# KiCad board Stream.kicad_pcb
title: Stream v2; rev: 0.1; company: Lime Microsystems Ltd.
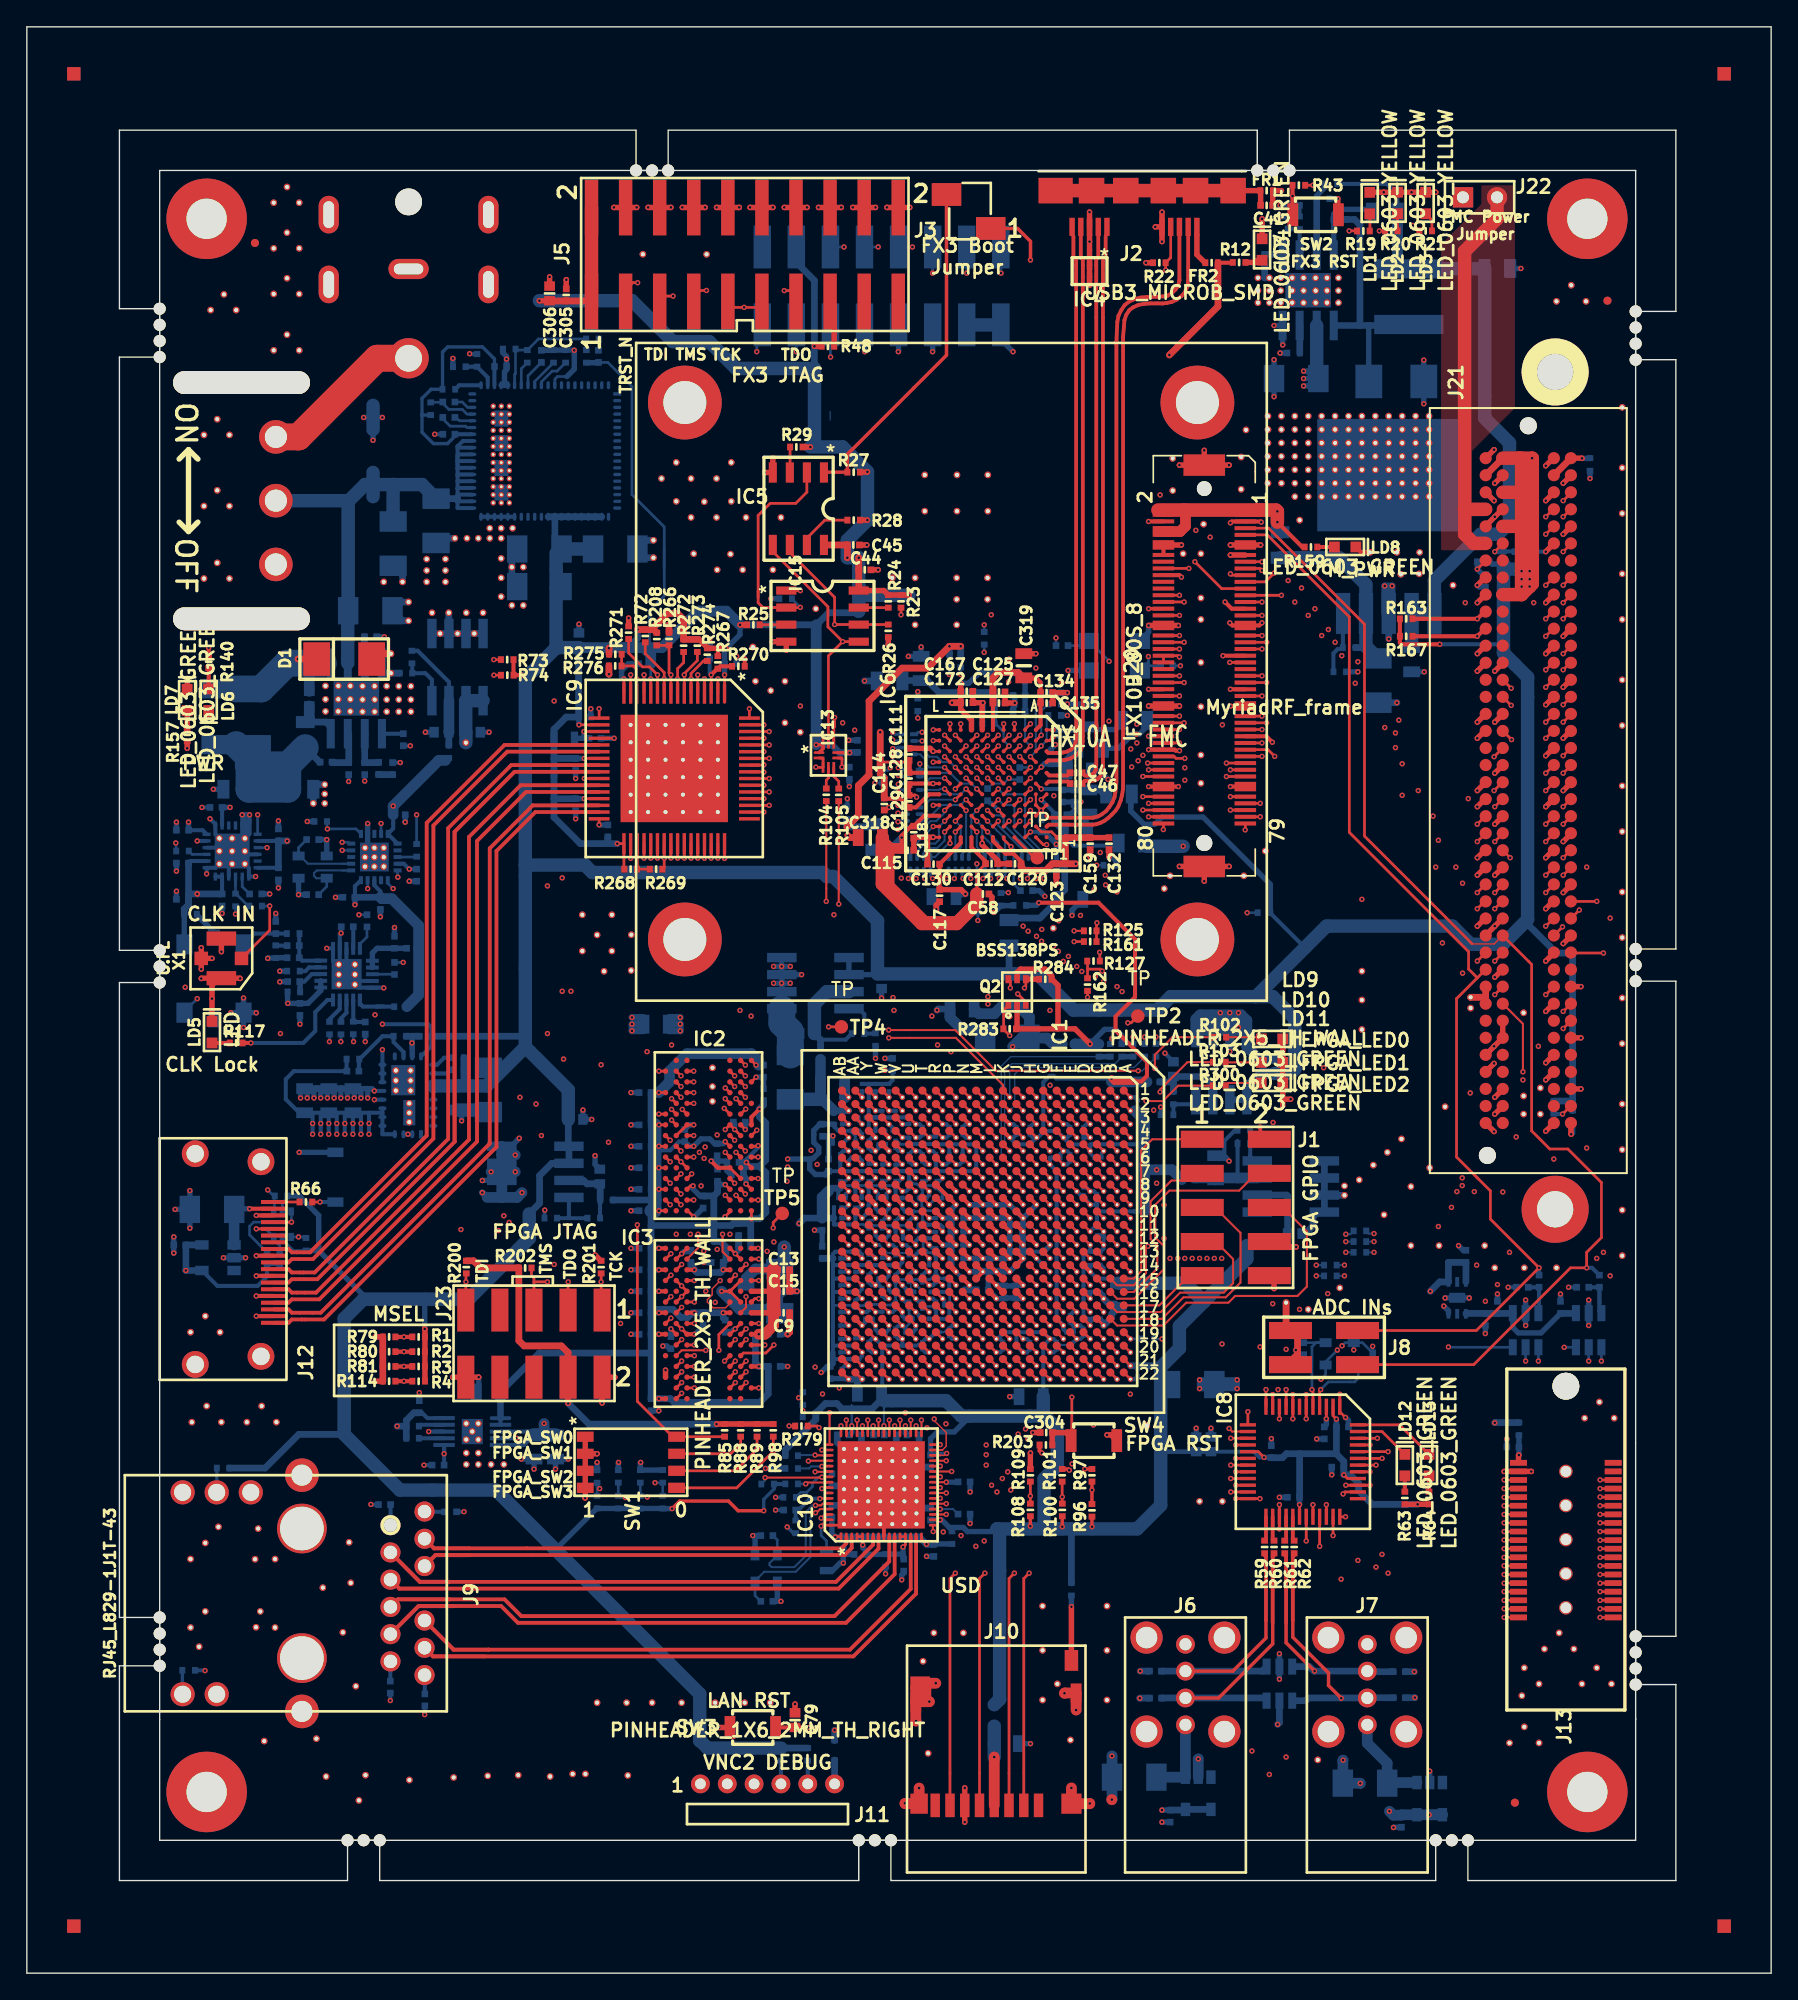
[diagram p0: board, top side]
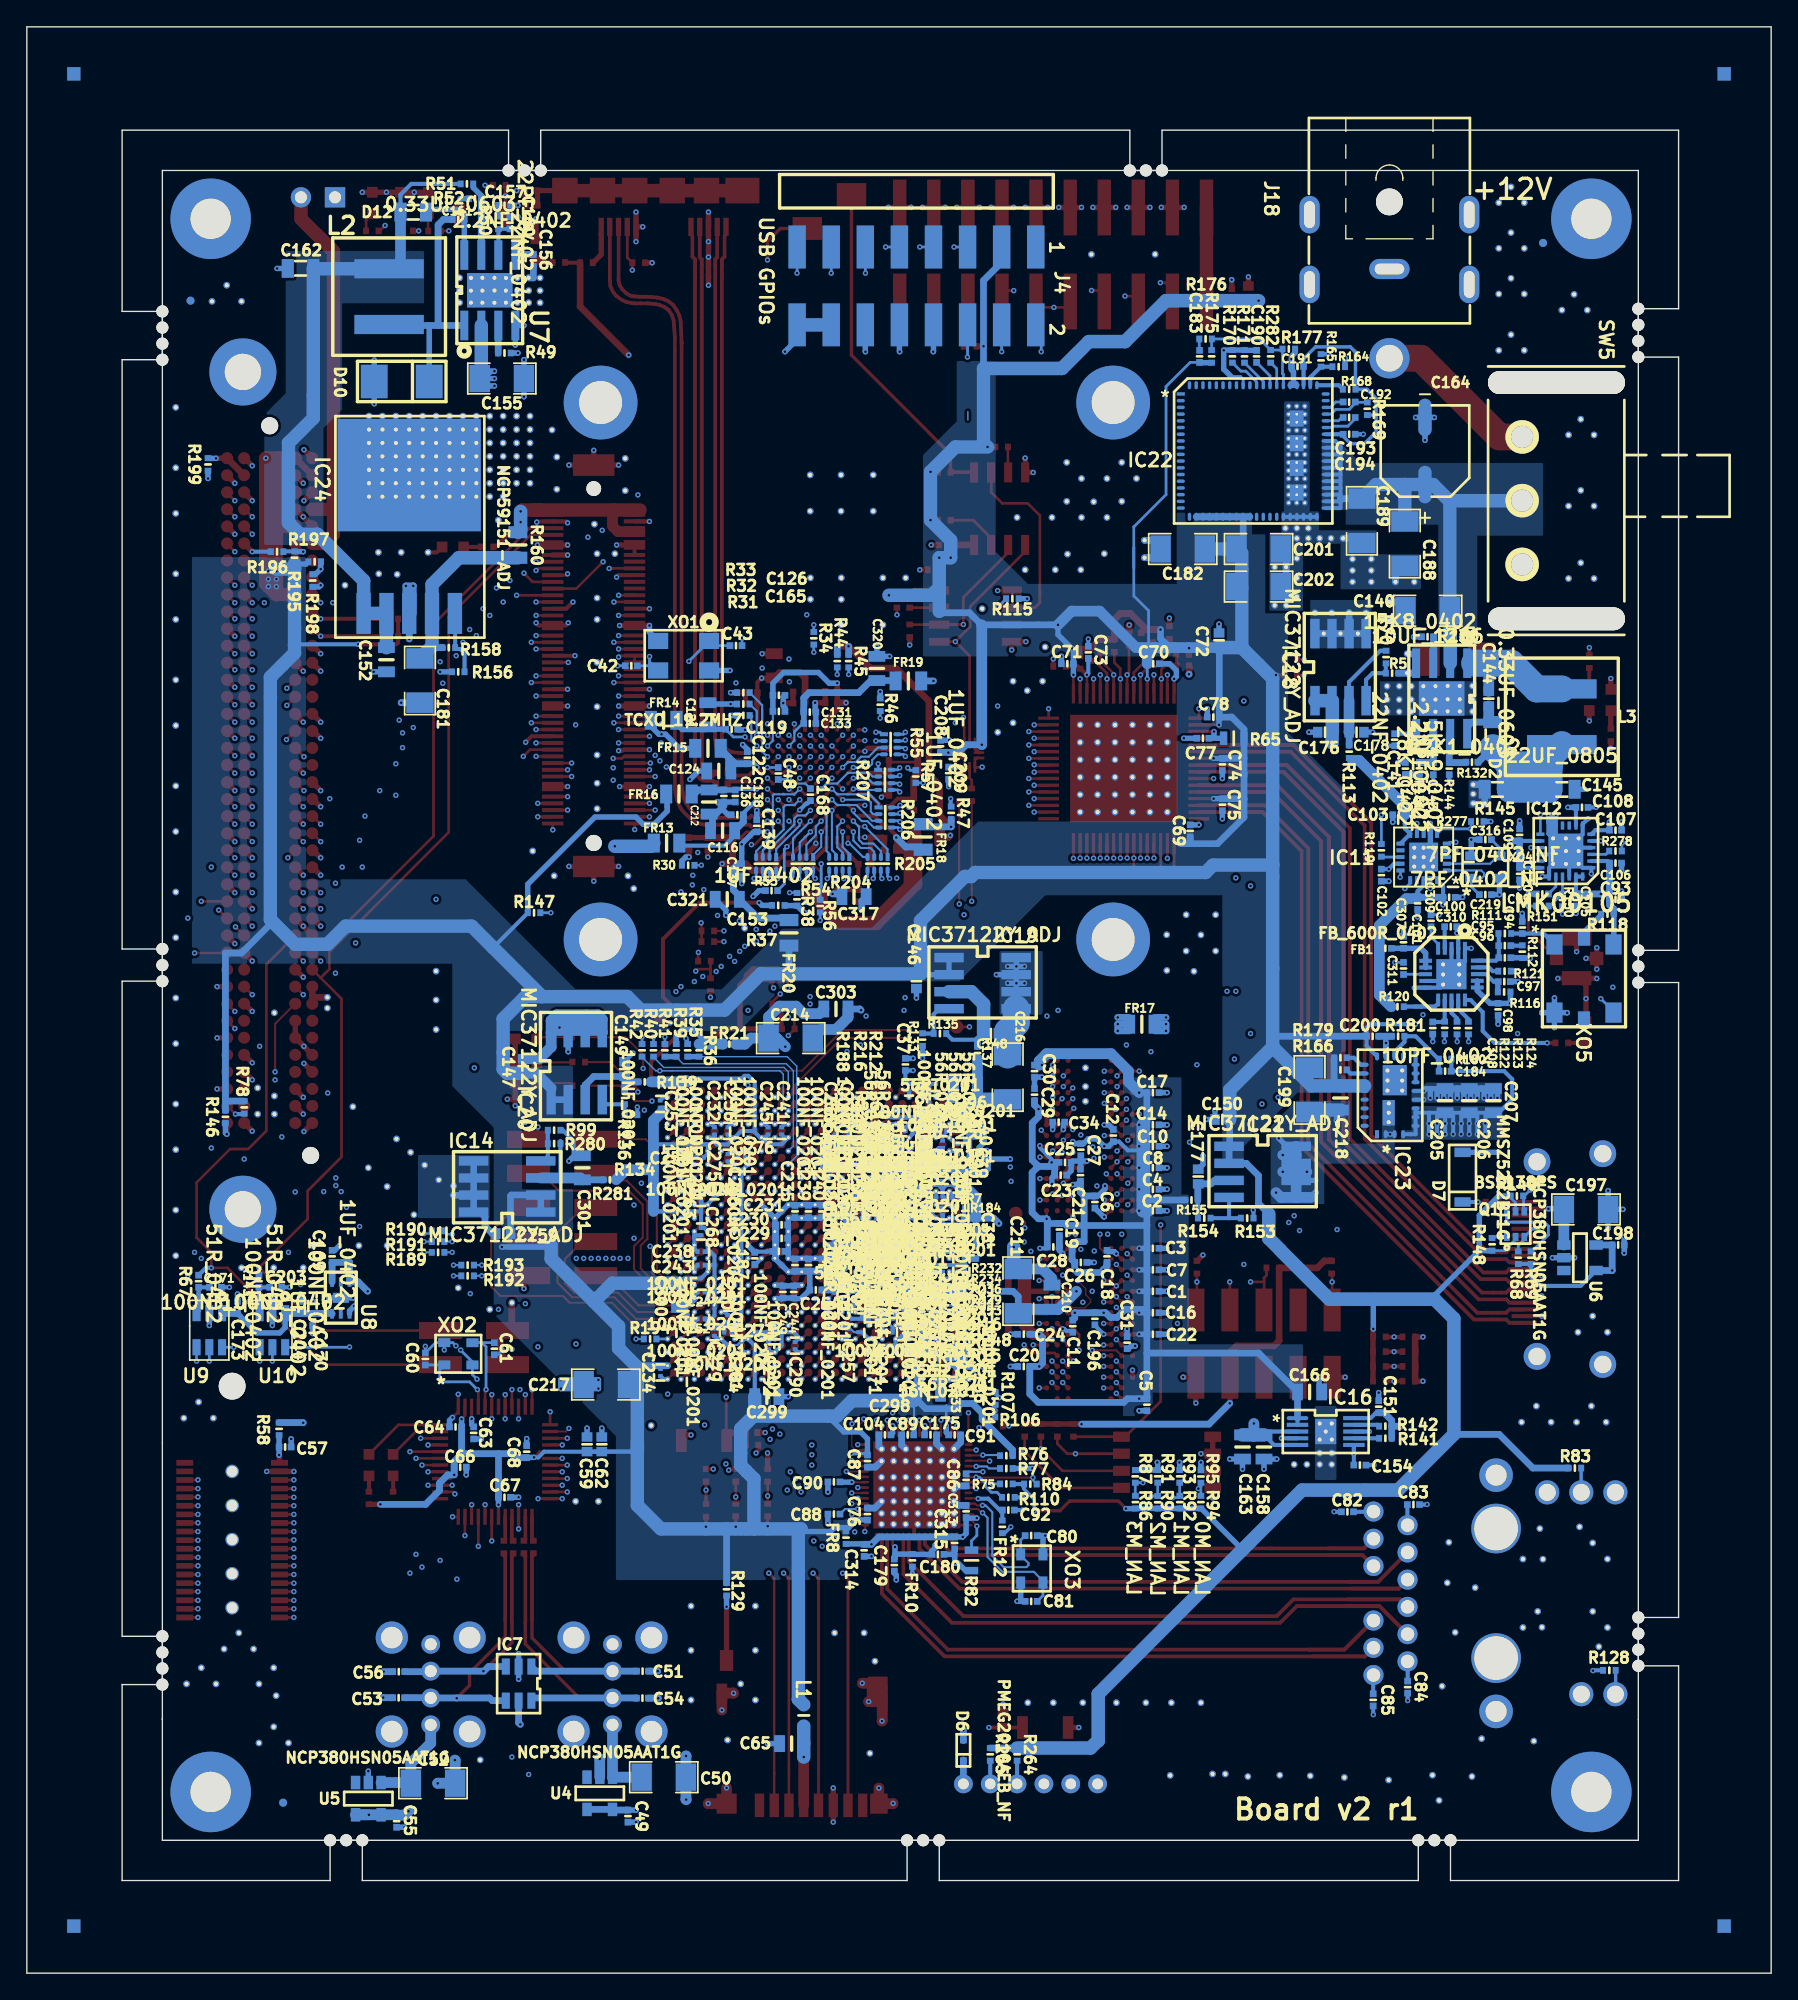
[diagram p1: board, bottom side, seen from below]

Outline 130 x 145 mm; copper layers: Top, Inner10.Cu, Inner9.Cu, Inner8.Cu, Inner7.Cu, Inner6.Cu, Inner5.Cu, Inner4.Cu, Inner3.Cu, Inner2.Cu, Inner1.Cu, Bottom. Coordinates in mm from the lower left corner of the outline.
Outline path: 119.9,19 119.9,9.9 9.9,9.9 9.9,134.3 119.9,134.3 119.9,18.9 ; 0,145 0,0 130,0 130,145 0,145 ; 6.9,137.3 6.9,124 9.9,124 9.9,120.4 6.9,120.4 6.9,76.2 9.9,76.2 9.9,73.8 6.9,73.8 6.9,26.5 9.9,26.5 9.9,22.9 6.9,22.9 6.9,6.9 23.9,6.9 23.9,9.9 26.3,9.9 26.3,6.9 62,6.9 62,9.9 64.4,9.9 64.4,6.9 105,6.9 105,9.9 107.4,9.9 107.4,6.9 122.9,6.9 122.9,21.5 119.9,21.5 119.9,25.1 122.9,25.1 122.9,73.9 119.9,73.9 119.9,76.3 122.9,76.3 122.9,120.2 119.9,120.2 119.9,123.8 122.9,123.8 122.9,137.3 94.1,137.3 94.1,134.3 91.7,134.3 91.7,137.3 47.8,137.3 47.8,134.3 45.4,134.3 45.4,137.3 6.9,137.3

## Placement (name value [footprint] x y rotation side)
BreakHole  VAL**  [BreakHole]  46.6 134.3 0 top
BreakHole#2  VAL**  [BreakHole]  94.1 134.3 0 top
BreakHole#3  VAL**  [BreakHole]  92.9 134.3 0 top
BreakHole#4  VAL**  [BreakHole]  91.7 134.3 0 top
BreakHole#5  VAL**  [BreakHole]  25.1 9.9 0 top
BreakHole#6  VAL**  [BreakHole]  23.9 9.9 0 top
BreakHole#7  VAL**  [BreakHole]  105 9.9 0 top
BreakHole#8  VAL**  [BreakHole]  106.2 9.9 0 top
BreakHole#9  VAL**  [BreakHole]  107.4 9.9 0 top
BreakHole#10  VAL**  [BreakHole]  62 9.9 0 top
BreakHole#11  VAL**  [BreakHole]  63.2 9.9 0 top
BreakHole#12  VAL**  [BreakHole]  64.4 9.9 0 top
BreakHole#13  VAL**  [BreakHole]  26.3 9.9 0 top
BreakHole#14  VAL**  [BreakHole]  9.9 124 90 top
BreakHole#15  VAL**  [BreakHole]  9.9 120.4 90 top
BreakHole#16  VAL**  [BreakHole]  9.9 121.6 90 top
BreakHole#17  VAL**  [BreakHole]  9.9 122.8 90 top
BreakHole#18  VAL**  [BreakHole]  9.9 25.3 90 top
BreakHole#19  VAL**  [BreakHole]  9.9 24.1 90 top
BreakHole#20  VAL**  [BreakHole]  9.9 22.9 90 top
BreakHole#21  VAL**  [BreakHole]  9.9 26.5 90 top
BreakHole#22  VAL**  [BreakHole]  9.9 76.2 90 top
BreakHole#23  VAL**  [BreakHole]  9.9 73.8 90 top
BreakHole#24  VAL**  [BreakHole]  9.9 75 90 top
BreakHole#25  VAL**  [BreakHole]  119.9 122.6 90 top
BreakHole#26  VAL**  [BreakHole]  119.9 121.4 90 top
BreakHole#27  VAL**  [BreakHole]  119.9 120.2 90 top
BreakHole#28  VAL**  [BreakHole]  119.9 123.8 90 top
BreakHole#29  VAL**  [BreakHole]  119.9 25.1 90 top
BreakHole#30  VAL**  [BreakHole]  119.9 21.5 90 top
BreakHole#31  VAL**  [BreakHole]  119.9 22.7 90 top
BreakHole#32  VAL**  [BreakHole]  119.9 23.9 90 top
BreakHole#33  VAL**  [BreakHole]  119.9 75.1 90 top
BreakHole#34  VAL**  [BreakHole]  119.9 73.9 90 top
BreakHole#35  VAL**  [BreakHole]  119.9 76.3 90 top
BreakHole#36  VAL**  [BreakHole]  45.4 134.3 0 top
BreakHole#37  VAL**  [BreakHole]  47.8 134.3 0 top
C1  100NF_0402  [C_SM0402]  46.07 50.8 180 bottom
C2  100NF_0402  [C_SM0402]  46.07 56.8 180 bottom
C3  100NF_0402  [C_SM0402]  46.07 54 180 bottom
C4  100NF_0402  [C_SM0402]  46.07 58.4 180 bottom
C5  100NF_0402  [C_SM0402]  46.53 42.35 270 bottom
C6  100NF_0402  [C_SM0402]  50.4 57.45 270 bottom
C7  100NF_0402  [C_SM0402]  46.07 52.4 180 bottom
C8  100NF_0402  [C_SM0402]  46.07 60 180 bottom
C9  100NF_0402  [C_SM0402]  56.4 49.2 0 top
C10  100NF_0402  [C_SM0402]  46.07 61.6 180 bottom
C11  100NF_0402  [C_SM0402]  52.05 48.2 270 bottom
C12  100NF_0402  [C_SM0402]  49.03 62.4 90 bottom
C13  100NF_0402  [C_SM0402]  56.4 52.4 0 top
C14  100NF_0402  [C_SM0402]  46.07 63.2 180 bottom
C15  100NF_0402  [C_SM0402]  56.4 50.8 0 top
C16  100NF_0402  [C_SM0402]  46.07 49.2 180 bottom
C17  100NF_0402  [C_SM0402]  46.07 65.6 180 bottom
C18  100NF_0402  [C_SM0402]  49.5 53.4 90 bottom
C19  100NF_0402  [C_SM0402]  53.05 55.4 270 bottom
C20  100NF_0402  [C_SM0402]  55.7 45.2 0 bottom
C21  100NF_0402  [C_SM0402]  51.47 59.45 90 bottom
C22  100NF_0402  [C_SM0402]  46.07 47.6 180 bottom
C23  100NF_0402  [C_SM0402]  52.95 59.45 180 bottom
C24  100NF_0402  [C_SM0402]  55.7 47.6 0 bottom
C25  100NF_0402  [C_SM0402]  52.62 60.4 180 bottom
C26  100NF_0402  [C_SM0402]  51.45 52.95 180 bottom
C27  100NF_0402  [C_SM0402]  51.45 61.35 270 bottom
C28  100NF_0402  [C_SM0402]  53.5 54.1 180 bottom
C29  100NF_0402  [C_SM0402]  54.9 65.45 90 bottom
C30  100NF_0402  [C_SM0402]  54.9 67.2 270 bottom
C31  100NF_0402  [C_SM0402]  48 46.97 270 bottom
C32  100NF_0201  [SM0201]  66.75 55.75 0 bottom
C33  100NF_0201  [SM0201]  65.75 56.75 0 bottom
C34  100NF_0402  [C_SM0402]  53.1 63.4 180 bottom
C35  100NF_0201  [SM0201]  60.35 61.82 180 bottom
C36  100NF_0201  [SM0201]  62.75 61.75 270 bottom
C37  100NF_0402  [C_SM0402]  64.53 67.7 90 bottom
C38  100NF_0402  [C_SM0402]  59.28 55.8 270 bottom
C39  100NF_0402  [C_SM0402]  59.75 60.2 90 bottom
C40  100NF_0402  [C_SM0402]  59.3 62.8 270 bottom
C41  100NF_0402  [C_SM0402]  92.4 131.7 0 top
C42  13PF_0402  [C_SM0402]  84.95 97.4 180 bottom
C43  13PF_0402  [C_SM0402]  77.15 98.9 0 bottom
C44  100NF_0402  [C_SM0402]  62.45 104.55 0 top
C45  100NF_0402  [C_SM0402]  61.6 106.4 0 top
C46  100NF_0402  [C_SM0402]  78.2 88.62 180 top
C47  100NF_0402  [C_SM0402]  78.2 89.43 180 top
C48  100NF_0402  [C_SM0402]  74 89.38 270 bottom
C49  1UF_0402  [C_SM0402]  85.2 11.7 270 bottom
C50  100UF_1206  [SM1206]  82.53 14.6 180 bottom
C51  47PF_0402  [C_SM0402]  84.11 22.5 180 bottom
C52  100UF_1206  [SM1206]  99.73 14.15 180 bottom
C53  47PF_0402  [C_SM0402]  102.29 20.52 0 bottom
C54  47PF_0402  [C_SM0402]  84.12 20.49 180 bottom
C55  1UF_0402  [C_SM0402]  102.44 11.32 270 bottom
C56  47PF_0402  [C_SM0402]  102.28 22.46 0 bottom
C57  1UF_0402  [C_SM0402]  110.75 39.2 180 bottom
C58  10NF_0402  [C_SM0402]  71.25 80.4 0 top
C59  1UF_0603  [C_SM0603]  88.25 39.4 90 bottom
C60  10PF_0402  [C_SM0402]  100.3 45.76 270 bottom
C61  10PF_0402  [C_SM0402]  95.16 46.52 90 bottom
C62  10UF_0603  [C_SM0603]  87.15 39.4 90 bottom
C63  100NF_0402  [C_SM0402]  96.7 40.25 270 bottom
C64  100NF_0402  [C_SM0402]  98.05 40.7 0 bottom
C65  22UF_0805  [C_SM0805]  73 17.1 0 bottom
C66  100NF_0402  [C_SM0402]  97.7 37.7 180 bottom
C67  100NF_0402  [C_SM0402]  94.4 35.45 180 bottom
C68  100NF_0402  [C_SM0402]  92.75 38.85 90 bottom
C69  100NF_0402  [C_SM0402]  43.3 85.1 90 bottom
C70  100NF_0402  [C_SM0402]  46.05 97.55 180 bottom
C71  100NF_0402  [C_SM0402]  52.45 97.55 0 bottom
C72  10UF_0603  [C_SM0603]  41.15 99.3 90 bottom
C73  1UF_0402  [C_SM0402]  50.89 98.4 90 bottom
C74  100NF_0402  [C_SM0402]  40.9 90.05 270 bottom
C75  100NF_0402  [C_SM0402]  40.9 87.05 270 bottom
C76  100NF_0402  [C_SM0402]  67.35 34.2 90 bottom
C77  100NF_0402  [C_SM0402]  42.35 92 0 bottom
C78  100NF_0402  [C_SM0402]  41.57 93.57 0 bottom
C79  10UF_0603  [C_SM0603]  57.25 18.85 90 top
C80  7PF_0402  [C_SM0402]  55.15 32.6 0 bottom
C81  7PF_0402  [C_SM0402]  55.15 27.7 180 bottom
C82  100NF_0402  [C_SM0402]  31.58 34.37 180 bottom
C83  100NF_0402  [C_SM0402]  26.66 34.91 0 bottom
C84  100NF_0402  [C_SM0402]  27.09 21.31 90 bottom
C85  100NF_0402  [C_SM0402]  29.66 20.36 90 bottom
C86  100NF_0402  [C_SM0402]  60 36.75 270 bottom
C87  100NF_0402  [C_SM0402]  67.35 38.15 270 bottom
C88  100NF_0402  [C_SM0402]  69.85 34.2 0 bottom
C89  100NF_0402  [C_SM0402]  64.35 40.1 0 bottom
C90  100NF_0402  [C_SM0402]  69.85 36.6 0 bottom
C91  100NF_0402  [C_SM0402]  60.85 40.1 180 bottom
C92  100NF_0402  [C_SM0402]  56.85 34.5 180 bottom
C93  100NF_0402  [C_SM0402]  11.6 80 180 bottom
C94  22PF_0402  [C_SM0402]  18.55 77.9 90 bottom
C95  22PF_0402  [C_SM0402]  19.85 76.55 180 bottom
C96  22PF_0402  [C_SM0402]  19.85 75.65 180 bottom
C97  100NF_0402  [C_SM0402]  19.89 73.87 180 bottom
C98  100NF_0402  [C_SM0402]  20.35 71.8 270 bottom
C99  100NF_0402  [C_SM0402]  17.05 80.4 0 bottom
C100  100PF_0402  [C_SM0402]  24 80.15 180 bottom
C101  100PF_0402  [C_SM0402]  26.35 79.7 270 bottom
C102  100PF_0402  [C_SM0402]  29.05 81.8 270 bottom
C103  100PF_0402  [C_SM0402]  27.75 86.3 0 bottom
C104  100NF_0402  [C_SM0402]  66.05 40.1 0 bottom
C105  100PF_0402  [C_SM0402]  14.55 79.95 270 bottom
C106  100PF_0402  [C_SM0402]  11.6 82.7 180 bottom
C107  100PF_0402  [C_SM0402]  11.6 85.15 180 bottom
C108  100PF_0402  [C_SM0402]  14.1 86.85 180 bottom
C109  100PF_0402  [C_SM0402]  18.75 84.8 90 bottom
C110  100PF_0402  [C_SM0402]  18.75 81.9 270 bottom
C111  100NF_0402  [C_SM0402]  65.75 90.8 90 top
C112  100NF_0402  [C_SM0402]  71.9 82.65 0 top
C113  100NF_0402  [C_SM0402]  77.05 86.3 0 bottom
C114  100NF_0402  [C_SM0402]  63.9 87.1 270 top
C115  100NF_0402  [C_SM0402]  65.65 83.65 0 top
C116  22UF_0805  [C_SM0805]  78.15 85.12 0 bottom
C117  100NF_0402  [C_SM0402]  68.03 80.28 270 top
C118  10NF_0402  [C_SM0402]  66.1 85 270 top
C119  100NF_0402  [C_SM0402]  77.47 92.68 180 bottom
C120  100NF_0402  [C_SM0402]  73.65 82.65 180 top
C121  22UF_0805  [C_SM0805]  79.25 93.75 90 bottom
C122  100NF_0402  [C_SM0402]  76.3 90.55 90 bottom
C123  100NF_0402  [C_SM0402]  76.72 82.2 270 top
C124  22UF_0805  [C_SM0805]  78.43 89.56 0 bottom
C125  100NF_0402  [C_SM0402]  72.45 95.45 0 top
C126  100NF_0402  [C_SM0402]  73.95 95.2 180 bottom
C127  10NF_0402  [C_SM0402]  72.45 94.62 0 top
C128  10NF_0402  [C_SM0402]  65.75 89 270 top
C129  10NF_0402  [C_SM0402]  65.75 87.3 90 top
C130  10NF_0402  [C_SM0402]  67.57 82.62 180 top
C131  100NF_0402  [C_SM0402]  71.65 93.95 180 bottom
C132  10NF_0402  [C_SM0402]  80.65 84.15 270 top
C133  10NF_0402  [C_SM0402]  71.65 93.1 180 bottom
C134  100NF_0402  [C_SM0402]  76 95.4 0 top
C135  10NF_0402  [C_SM0402]  76 94.62 0 top
C136  100NF_0402  [C_SM0402]  78.05 87.7 270 bottom
C137  100NF_0402  [C_SM0402]  76.72 82.2 270 bottom
C138  10NF_0402  [C_SM0402]  77.2 87.7 270 bottom
C139  10NF_0402  [C_SM0402]  75.6 85.47 90 bottom
C140  10UF_1206  [SMD1206]  25.6 101.5 0 bottom
C141  22NF_0402  [SMD0402]  28.06 91.89 270 bottom
C142  2.2NF_0402  [SMD0402]  27.26 89.74 90 bottom
C143  22PF_0402  [SMD0402]  25.18 89.74 270 bottom
C144  0.33UF_0603  [SMD0603]  21.05 94.95 90 bottom
C145  22UF_0805  [SMD0805]  15.6 88.2 180 bottom
C146  2.2UF_0603  [C_SM0603]  63.7 73.9 270 bottom
C147  2.2UF_0603  [C_SM0603]  93 67.57 90 bottom
C148  2.2UF_0603  [C_SM0603]  58.15 70 180 bottom
C149  2.2UF_0603  [C_SM0603]  85.45 67.35 90 bottom
C150  2.2UF_0603  [C_SM0603]  40.9 63.6 0 bottom
C151  1UF_0402  [C_SM0402]  29.25 42.2 90 bottom
C152  10UF_0805  [C_SM0805]  103.2 97.85 270 bottom
C153  1UF_0402  [C_SM0402]  74.5 80.65 0 bottom
C154  100NF_0402  [C_SM0402]  30.65 37.85 180 bottom
C155  10UF_1206  [SM1206]  94.6 118.8 180 bottom
C156  22NF_0402  [C_SM0402]  92.25 127.6 270 bottom
C157  2.2NF_0402  [C_SM0402]  94.4 131.7 180 bottom
C158  10UF_0805  [C_SM0805]  37.8 39.2 270 bottom
C159  10NF_0402  [C_SM0402]  79.25 84.15 270 top
C160  22PF_0402  [C_SM0402]  94 130.4 90 bottom
C161  0.33UF_0603  [C_SM0402]  97.85 130.65 0 bottom
C162  22UF_0805  [SM0805]  109.6 127 0 bottom
C163  10UF_0805  [C_SM0805]  39.4 39.2 270 bottom
C164  220UF_AL_CAP  [6.3mm_Al_cap]  25.8 113.4 0 bottom
C165  10NF_0402  [C_SM0402]  73.95 94 180 bottom
C166  10UF_0805  [C_SM0805]  34.4 43.3 180 bottom
C167  100NF_0402  [C_SM0402]  70.05 95.5 0 top
C168  100NF_0402  [C_SM0402]  71.6 87.8 90 bottom
C169  1UF_0402  [C_SM0402]  107.25 53.4 90 bottom
C170  1UF_0402  [C_SM0402]  108.7 48.7 270 bottom
C171  100NF_0402  [C_SM0402]  115.95 51.1 180 bottom
C172  10NF_0402  [C_SM0402]  70.05 94.65 0 top
C173  100NF_0402  [C_SM0402]  114.3 49.6 90 bottom
C174  100NF_0201  [SM0201]  65.75 49.75 270 bottom
C175  100NF_0402  [C_SM0402]  62.65 40.1 180 bottom
C176  2.2UF_0603  [C_SM0603]  33.25 92.45 0 bottom
C177  2.2UF_0603  [C_SM0603]  42.7 59.35 90 bottom
C178  2.2UF_0603  [C_SM0603]  30.9 92.45 180 bottom
C179  100NF_0402  [C_SM0402]  65.35 30.4 270 bottom
C180  100NF_0402  [C_SM0402]  62.1 31.2 180 bottom
C181  47UF_1206  [SM1206]  100.7 96.3 270 bottom
C182  100UF_1206  [SM1206]  43.85 106.1 0 bottom
C183  15PF_0402  [C_SM0402]  42.6 120.45 90 bottom
C184  10PF_0402  [SMD0402]  24.3 67.2 0 bottom
C185  100NF_0201  [SM0201]  62.75 48.75 0 bottom
C186  100NF_0402  [C_SM0402]  59.88 44.75 270 bottom
C187  10NF_0402  [C_SM0402]  75.75 53.25 270 bottom
C188  22UF_1206_X5R  [SM1206]  27.3 106.5 90 bottom
C189  22UF_1206_X5R  [SM1206]  30.5 108.2 90 bottom
C190  47NF_0402  [C_SM0402]  38.35 120.45 90 bottom
C191  1UF_0402  [C_SM0402]  35.3 119.7 0 bottom
C192  0.22UF_0402  [C_SM0402]  31.45 117.05 180 bottom
C193  47NF_0402  [C_SM0402]  31.45 115.9 180 bottom
C194  1UF_0402  [C_SM0402]  31.45 114.65 180 bottom
C195  100NF_0402  [C_SM0402]  59.28 53.7 90 bottom
C196  100NF_0402  [C_SM0402]  50.4 48.75 270 bottom
C197  100UF_1206  [SM1206]  13.8 56.9 180 bottom
C198  1UF_0402  [C_SM0402]  11.4 54.25 180 bottom
C199  22UF_0805  [C_SM0805]  32.1 65.2 270 bottom
C200  1UF_0402  [C_SM0402]  29.7 69.8 0 bottom
C201  47UF_1206  [SM1206]  38.2 106.1 0 bottom
C202  47UF_1206  [SM1206]  38.2 103.3 0 bottom
C203  100NF_0402  [C_SM0402]  111.45 51.1 180 bottom
C204  100NF_0402  [C_SM0402]  109.6 49.6 90 bottom
C205  22UF_0805  [C_SM0805]  24.3 65 90 bottom
C206  22UF_0805  [C_SM0805]  22.5 65 90 bottom
C207  22UF_0805  [C_SM0805]  20.7 65 90 bottom
C208  1UF_0402  [C_SM0402]  61.9 91.4 90 bottom
C209  1UF_0402  [C_SM0402]  61.3 89.4 270 bottom
C210  4.7UF_0805  [C_SM0805]  53.6 50.36 270 bottom
C211  100UF_1206  [SM1206]  56.11 50.81 270 bottom
C212  4.7UF_0805  [C_SM0805]  79.15 87.25 270 bottom
C214  100UF_1206  [SM1206]  73.07 69.66 180 bottom
C216  100UF_1206  [SM1206]  56.9 66.75 90 bottom
C217  100UF_1206  [SM1206]  86.85 43.85 0 bottom
C218  100UF_1206  [SM1206]  34.4 65.8 270 bottom
C219  7PF_0402_NF  [C_SM0402]  21.3 80.35 0 bottom
C220  10NF_0402  [C_SM0402]  69.32 56.78 0 bottom
C221  100NF_0402  [C_SM0402]  69.32 55.75 0 bottom
C222  1UF_0402  [C_SM0402]  69.32 54.75 0 bottom
C223  10NF_0402  [C_SM0402]  69.32 53.75 0 bottom
C224  100NF_0402  [C_SM0402]  69.32 52.75 0 bottom
C225  1UF_0402  [C_SM0402]  69.78 51.25 270 bottom
C226  10NF_0402  [C_SM0402]  70.75 52.75 90 bottom
C227  100NF_0402  [C_SM0402]  71.75 52.75 90 bottom
C228  1UF_0402  [C_SM0402]  72.75 52.75 90 bottom
C229  10NF_0402  [C_SM0402]  73.95 53.78 180 bottom
C230  100NF_0402  [C_SM0402]  73.75 54.75 180 bottom
C231  1UF_0402  [C_SM0402]  73.75 55.75 180 bottom
C232  100NF_0201  [SM0201]  78.75 62.75 90 bottom
C233  100NF_0201  [SM0201]  60.75 44.75 270 bottom
C234  100NF_0201  [SM0201]  82.78 44.75 270 bottom
C235  10NF_0402  [C_SM0402]  72.75 56.75 270 bottom
C236  100NF_0201  [SM0201]  77.75 62.75 90 bottom
C237  100NF_0201  [SM0201]  64.75 53.75 270 bottom
C238  100NF_0201  [SM0201]  79.75 53.75 0 bottom
C239  100NF_0402  [C_SM0402]  71.75 56.75 270 bottom
C240  1UF_0402  [C_SM0402]  70.75 56.75 270 bottom
C241  100NF_0201  [SM0201]  73.75 62.75 90 bottom
C242  100NF_0201  [SM0201]  63.75 50.75 90 bottom
C243  100NF_0201  [SM0201]  79.75 52.75 0 bottom
C244  10NF_0402  [C_SM0402]  72.85 50.75 90 bottom
C245  100NF_0201  [SM0201]  74.75 62.75 90 bottom
C246  100NF_0201  [SM0201]  63.75 47.72 180 bottom
C247  100NF_0201  [SM0201]  79.75 50.75 0 bottom
C248  100NF_0201  [SM0201]  65.75 60.75 90 bottom
C249  100NF_0402  [C_SM0402]  73.65 50.75 90 bottom
C250  100NF_0201  [SM0201]  77.75 48.75 270 bottom
C251  100NF_0201  [SM0201]  62.75 51.75 270 bottom
C252  100NF_0201  [SM0201]  79.75 48.75 0 bottom
C253  100NF_0201  [SM0201]  82.8 64.75 90 bottom
C254  1UF_0402  [C_SM0402]  71.2 50.9 180 bottom
C255  100NF_0201  [SM0201]  77.75 60.75 90 bottom
C256  100NF_0201  [SM0201]  69.75 62.75 90 bottom
C257  100NF_0201  [SM0201]  68.75 47.75 270 bottom
C258  100NF_0201  [SM0201]  79.82 60.78 0 bottom
C259  2.2UF_0603  [C_SM0603]  94.5 55.1 0 bottom
C260  100NF_0201  [SM0201]  65.75 48.75 0 bottom
C261  100NF_0201  [SM0201]  66.75 62.75 90 bottom
C262  100NF_0201  [SM0201]  64.75 47.75 90 bottom
C263  100NF_0201  [SM0201]  79.75 57.75 90 bottom
C266  100NF_0201  [SM0201]  64.25 62.75 0 bottom
C267  100NF_0201  [SM0201]  62.75 46.75 270 bottom
C268  100NF_0201  [SM0201]  79.75 55.25 270 bottom
C270  100NF_0201  [SM0201]  68.75 62.75 90 bottom
C271  100NF_0201  [SM0201]  66.75 46.75 270 bottom
C272  100NF_0201  [SM0201]  66.75 60.75 90 bottom
C273  100NF_0201  [SM0201]  77.75 47.75 0 bottom
C274  100NF_0201  [SM0201]  60.75 64.75 90 bottom
C275  100NF_0201  [SM0201]  78.75 58.25 90 bottom
C276  100NF_0201  [SM0201]  76.75 60.75 0 bottom
C277  100NF_0201  [SM0201]  65.75 47.75 180 bottom
C279  100NF_0201  [SM0201]  78.75 47.75 90 bottom
C280  100NF_0201  [SM0201]  63.75 61.75 180 bottom
C284  100NF_0201  [SM0201]  76.75 46.75 270 bottom
C285  100NF_0201  [SM0201]  63.75 56.75 180 bottom
C288  100NF_0201  [SM0201]  63.75 51.75 180 bottom
C289  100NF_0201  [SM0201]  65.75 53.75 270 bottom
C290  100NF_0201  [SM0201]  72.75 46.75 270 bottom
C291  100NF_0201  [SM0201]  63.75 54.75 180 bottom
C292  100NF_0201  [SM0201]  74.75 46.75 90 bottom
C293  100NF_0201  [SM0201]  61.75 60.75 180 bottom
C296  4.7UF_0805  [C_SM0805]  60.05 66.2 0 bottom
C298  4.7UF_0805  [C_SM0805]  62.8 43.2 180 bottom
C299  4.7UF_0805  [C_SM0805]  74.85 42.95 180 bottom
C300  4.7UF_0805  [C_SM0805]  81.35 50.5 270 bottom
C301  4.7UF_0805  [C_SM0805]  88.6 60 90 bottom
C303  4.7UF_0805  [C_SM0805]  69.7 71.83 180 bottom
C304  100NF_0402  [C_SM0402]  75.97 40.28 180 top
C305  100NF_0402  [C_SM0402]  40.2 125.03 90 top
C306  10UF_0603  [C_SM0603]  38.96 125.14 90 top
C307  100NF_0402  [C_SM0402]  27.4 76.8 90 bottom
C308  10PF_0402  [C_SM0402]  25.22 70.41 270 bottom
C309  10NF_0402  [C_SM0402]  25.35 78.4 90 bottom
C310  220PF_0402  [C_SM0402]  23.88 77.96 180 bottom
C311  10NF_0402  [C_SM0402]  27.4 74.85 90 bottom
C313  100NF_0402  [C_SM0402]  60 34.4 90 bottom
C314  100NF_0402  [C_SM0402]  67.6 31.5 270 bottom
C315  100NF_0402  [C_SM0402]  60.85 32.05 270 bottom
C316  7PF_0402_NF  [C_SM0402]  21.3 84.45 180 bottom
C317  22UF_0805  [C_SM0805]  68.35 80.2 180 bottom
C318  22UF_0805  [C_SM0805]  62.86 84.6 180 top
C319  22UF_0805  [C_SM0805]  74.3 97.4 90 top
C320  22UF_0805  [C_SM0805]  66.65 97.2 90 bottom
C321  22UF_0805  [C_SM0805]  77.8 80 0 bottom
D1  20BQ030  [SMB]  23.7 97.9 270 top
D2  TS4148  [SM0805]  20.75 92.25 90 bottom
D6  PMEG2010AEB_NF  [SOD-523]  60.2 16.6 270 bottom